# Altium PCB waffling80-MX-north.PcbDoc (part 2 of 3)
Units mm, origin at the board's own origin, x right, y up, seen from the top; angles counter-clockwise.
Board outline 350.11 x 125.01 mm, 2 copper layers (Component Side, Bottom Layer), stack 1.171 mm thick; 231 components, 145 nets, 1093 pads, 153 vias.
Unrouted connection lines stored in the file: 15.
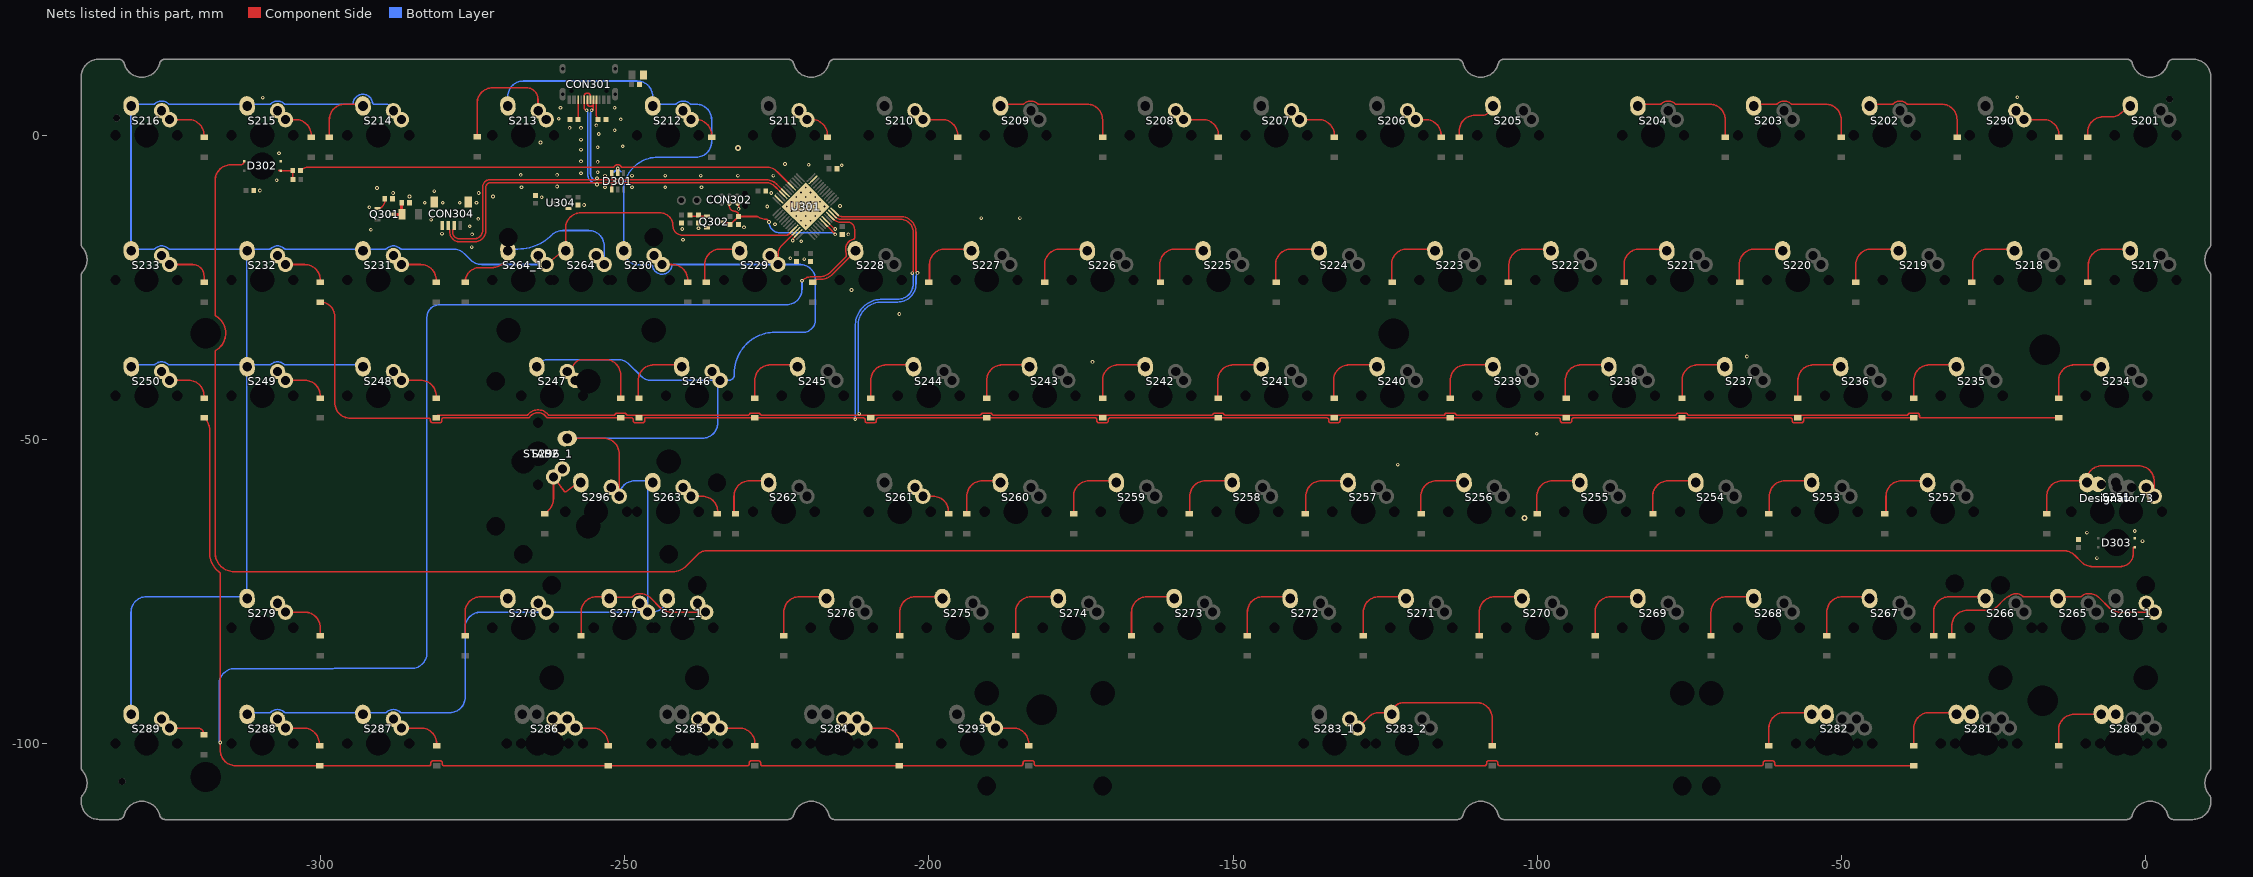
[diagram p2: the nets of this part, all layers, seen from the top]

## Via types
v1: diameter 0.6, hole 0.3, Component Side to Bottom Layer, tented both sides, 125 vias
v2: diameter 0.6, hole 0.3, Component Side to Bottom Layer, tented bottom, 25 vias
v3: diameter 1, hole 0.5, Component Side to Bottom Layer, tented both sides, 3 vias

## Nets (pads, with @x,y where several pads share a name; then routed paths per layer and width w, separated by ;. In a path a pad name is that pad's centre, name@x,y a point inside that pad or via, vN(x,y) a via of type N, cw(c..) or ccw(c..) an arc to the next point about the centre after c; other vN are vias at no path point) (continued)
col7: S212.2 S213.2 S229.2 S230.2 S246.2 S247.2 S263.2 S277.2 S277_1.2 S278.2 S287.2 S288.2 S296.2 S296_1.2 U301.46 | length 339.8
  Component Side w0.254: S296_1.2@-259.161,-49.842 -253.441,-49.842 cw(c-253.441,-52.382) -250.901,-52.382 S296.2@-250.901,-59.372 ; S229.2@-224.79,-21.272 -224.79,-19.633 cw(c-222.711,-19.633) -224.182,-18.163 U301.46@-221.994,-15.975
  Bottom Layer w0.254: S288.2@-312.102,-94.932 -308.344,-94.932 ccw(c-308.345,-94.678) -308.17,-94.861 cw(c-307.062,-96.012) -305.954,-94.862 ccw(c-305.779,-94.678) -305.78,-94.932 -289.294,-94.932 ccw(c-289.295,-94.678) -289.12,-94.861 cw(c-288.012,-96.012) -286.904,-94.862 ccw(c-286.729,-94.678) -286.73,-94.932 -278.765,-94.932 ccw(c-278.765,-92.392) -276.225,-92.392 -276.225,-80.962 cw(c-273.685,-80.962) -273.685,-78.422 S278.2@-262.89,-78.422 S277.2@-246.221,-78.422 ; S213.2@-269.24,5.08 S213.2@-269.2,5.08 ; S213.2@-269.2,4.79 S213.2@-269.2,5.08 ; S247.2@-264.477,-37.782 -264.332,-37.637 cw(c-262.536,-39.433) -262.536,-36.893 -251.115,-36.893 cw(c-251.115,-39.433) -249.319,-37.637 -247.377,-39.578 ccw(c-245.581,-37.782) -245.581,-40.322 S246.2@-234.315,-40.322 ; S296_1.2@-259.161,-49.842 -237.235,-49.842 ccw(c-237.235,-47.302) -234.695,-47.302 -234.695,-40.702 cw(c-234.315,-40.702) S246.2@-234.315,-40.322 ; S296.2@-250.901,-59.372 cw(c-248.361,-59.372) -248.361,-56.832 -245.427,-56.832 ccw(c-245.427,-57.626) -246.221,-57.626 S277.2@-246.221,-78.422 ; S212.2@-245.388,4.79 S212.2@-245.388,5.08 ; S277_1.2@-243.046,-75.882 cw(c-245.586,-75.882) -245.586,-78.422 S277.2@-246.221,-78.422 ; S213.2@-269.2,5.08 -269.2,6.348 cw(c-266.66,6.348) -266.66,8.888 -247.928,8.888 cw(c-247.928,6.348) -245.388,6.348 S212.2@-245.388,5.08 ; S212.2@-245.388,5.08 -241.67,5.08 ccw(c-241.671,5.334) -241.496,5.151 cw(c-240.388,4) -239.28,5.15 ccw(c-239.105,5.334) -239.106,5.08 -238.252,5.08 cw(c-238.252,2.54) -235.712,2.54 -235.712,-1.095 cw(c-238.252,-1.095) -238.252,-3.635 -244.548,-3.635 ccw(c-244.548,-9.277) -250.19,-9.277 -250.19,-18.801 ccw(c-247.65,-18.801) -247.65,-21.341 -245.662,-21.341 cw(c-245.663,-21.595) -245.413,-21.55 ccw(c-243.84,-21.272) -245.41,-21.563 ccw(c-243.84,-21.272) -242.366,-21.886 ccw(c-243.84,-21.272) -242.258,-21.49 cw(c-242.007,-21.526) -242.008,-21.272 S229.2@-224.79,-21.272 -221.18,-21.272 cw(c-221.18,-23.812) -220.944,-21.283 cw(c-221.18,-23.812) -218.64,-23.812 -218.64,-30.343 cw(c-220.726,-30.343) -219.225,-31.792 cw(c-220.726,-30.343) -220.726,-32.429 -225.553,-32.429 ccw(c-225.552,-33.591) -225.555,-32.429 ccw(c-225.552,-33.591) -225.689,-32.437 -225.742,-32.443 cw(c-225.77,-32.191) -225.752,-32.444 ccw(c-225.302,-39.101) -226.802,-32.6 cw(c-226.858,-32.352) -226.825,-32.604 ccw(c-226.713,-33.505) -226.855,-32.608 ccw(c-226.675,-33.756) -227.099,-32.674 cw(c-227.19,-32.437) -227.12,-32.681 ccw(c-225.302,-39.101) -228.777,-33.405 ccw(c-228.539,-33.792) -228.785,-33.41 cw(c-228.922,-33.197) -228.794,-33.416 ccw(c-228.566,-33.808) -228.802,-33.421 ccw(c-225.302,-39.101) -229.762,-34.138 cw(c-229.931,-33.948) -229.772,-34.147 ccw(c-229.054,-35.06) -229.875,-34.238 ccw(c-229.233,-34.88) -229.907,-34.271 cw(c-230.094,-34.1) -229.918,-34.283 ccw(c-225.302,-39.101) -231.974,-39.101 -231.974,-39.38 cw(c-232.917,-39.38) -232.917,-40.322 S246.2@-234.315,-40.322
col8: S214.2 S215.2 S216.2 S231.2 S232.2 S233.2 S248.2 S249.2 S250.2 S264.1 S264_1.1 S279.2 S289.2 U301.45 | length 323.4
  Component Side w0.254: S264_1.1@-262.89,-21.272 -259.715,-18.732 -259.715,-15.303 cw(c-257.175,-15.303) -257.175,-12.763 -244.218,-12.763 cw(c-244.218,-14.92) -242.061,-14.92 -242.061,-14.922 ccw(c-240.537,-14.922) -240.537,-16.446 -223.376,-16.446 ccw(c-223.376,-15.972) -223.041,-16.307 ; -223.041,-16.307 -222.355,-15.622 U301.45@-222.347,-15.622
  Bottom Layer w0.254: S289.2@-331.152,-94.932 -331.152,-78.422 cw(c-328.612,-78.422) -328.612,-75.882 -312.102,-75.882 S249.2@-312.102,-37.782 ; S250.2@-331.152,-37.782 -327.394,-37.782 ccw(c-327.395,-37.528) -327.22,-37.711 cw(c-326.112,-38.862) -325.004,-37.712 ccw(c-324.829,-37.528) -324.83,-37.782 S249.2@-312.102,-37.782 ; S248.2@-293.052,-37.782 -305.78,-37.782 cw(c-305.779,-37.528) -305.954,-37.712 ccw(c-307.062,-38.862) -308.17,-37.711 cw(c-308.345,-37.528) -308.344,-37.782 S249.2@-312.102,-37.782 ; S214.2@-286.702,2.54 ccw(c-289.242,2.54) -289.242,5.08 -291.203,5.08 cw(c-291.202,5.334) -291.454,5.303 ccw(c-293.041,5.119) -294.627,5.304 cw(c-294.879,5.334) -294.878,5.08 -305.78,5.08 cw(c-305.779,5.334) -305.954,5.15 ccw(c-307.062,4) -308.17,5.151 cw(c-308.345,5.334) -308.344,5.08 -324.83,5.08 cw(c-324.829,5.334) -325.004,5.15 ccw(c-326.112,4) -327.22,5.151 cw(c-327.395,5.334) -327.394,5.08 -331.152,5.08 -331.152,-18.732 -327.394,-18.732 ccw(c-327.395,-18.478) -327.22,-18.661 cw(c-326.112,-19.812) -325.004,-18.662 ccw(c-324.829,-18.478) -324.83,-18.732 S232.2@-312.102,-18.732 ; S264_1.1@-262.89,-21.272 -273.524,-21.272 cw(c-273.524,-18.732) -275.32,-20.528 -276.372,-19.476 ccw(c-278.168,-21.272) -278.168,-18.732 -286.73,-18.732 cw(c-286.729,-18.478) -286.904,-18.662 ccw(c-288.012,-19.812) -289.12,-18.661 cw(c-289.295,-18.478) -289.294,-18.732 -305.78,-18.732 cw(c-305.779,-18.478) -305.954,-18.662 ccw(c-307.062,-19.812) -308.17,-18.661 cw(c-308.345,-18.478) -308.344,-18.732 S232.2@-312.102,-18.732 ; S249.2@-312.102,-37.782 S232.2@-312.102,-18.732
D_N: CON301.A7 CON301.B7 CON304.2 D301.3 U301.32 | length 84
  Component Side w0.254: CON304.2@-278.011,-14.86 -278.011,-15.335 -278.282,-15.606 -278.282,-15.93 ccw(c-277.131,-15.93) -278.273,-16.074 ccw(c-277.131,-15.93) -277.275,-17.072 -277.258,-17.072 ccw(c-277.258,-16.818) -277.256,-17.072 -274.534,-17.052 ccw(c-274.831,-15.553) -273.333,-15.851 ccw(c-274.831,-15.553) -273.303,-15.553 -273.303,-8.413 cw(c-272.242,-8.413) -273.294,-8.27 cw(c-272.242,-8.413) -272.386,-7.362 cw(c-272.242,-8.413) -272.242,-7.352 -252.109,-7.352 ; CON301.A7@-256.137,5.806 -256.123,5.208 -256.12,5.195 cw(c-256.368,5.14) -256.114,5.141 -256.114,5.081 ccw(c-255.787,5.081) -255.787,4.754 -255.487,4.754 ccw(c-255.487,5.081) -255.16,5.081 -255.16,5.208 CON301.B7@-255.137,5.806 -255.137,4.372 cw(c-255.428,4.372) v1(-255.428,4.082) ; D301.3@-252.099,-6.212 -252.109,-6.222 -252.109,-7.352 ; -225.044,-8.041 -224.221,-8.863 -224.203,-8.863 -223.774,-9.293 U301.32@-223.761,-9.293 ; -225.045,-8.04 ccw(c-226.707,-9.704) -226.707,-7.352 -252.109,-7.352
  Bottom Layer w0.254: v1@-255.484,3.945 ccw(c-255.621,4.082) v1(-255.428,4.082) cw(c-255.654,4.082) -255.494,3.922 ccw(c-255.202,3.63) -255.615,3.63 -255.615,-6.465 ccw(c-254.705,-6.465) -255.348,-7.109 -255.156,-7.301 ccw(c-254.976,-7.121) -254.976,-7.375 ccw(c-254.976,-7.121) -254.797,-7.301 v1@-254.622,-7.126 ; v1@-254.622,-7.126 cw(c-254.549,-7.198) v1(-254.549,-7.096)
D_P: CON301.A6 CON301.B6 CON304.3 D301.4 U301.33 | length 85.1
  Component Side w0.152: -252.099,-7.912 -251.996,-7.809
  Component Side w0.254: CON304.3@-279.011,-14.86 -279.011,-15.335 -278.739,-15.606 -278.739,-15.93 ccw(c-277.131,-15.93) -278.697,-16.297 ccw(c-277.131,-15.93) -277.498,-17.496 ccw(c-277.131,-15.93) -277.301,-17.529 -277.275,-17.529 -277.067,-17.529 -274.35,-17.514 ccw(c-274.642,-15.743) -272.87,-16.035 ccw(c-274.642,-15.743) -272.846,-15.743 -272.846,-8.658 cw(c-271.997,-8.658) -272.818,-8.44 cw(c-271.997,-8.658) -272.215,-7.837 cw(c-271.997,-8.658) -271.997,-7.809 -252.099,-7.809 -251.996,-7.809 -226.897,-7.809 cw(c-226.897,-10.161) -225.234,-8.497 ; v1(-256.25,4.088) cw(c-256.25,4.476) -256.637,4.476 CON301.B6@-256.637,5.806 -256.614,6.404 -256.614,6.429 -256.614,6.531 cw(c-256.287,6.531) -256.401,6.838 -256.389,6.842 cw(c-256.3,6.604) -256.301,6.858 -255.974,6.858 cw(c-255.975,6.604) -255.893,6.844 -255.881,6.84 cw(c-255.987,6.531) -255.66,6.531 -255.66,6.404 CON301.A6@-255.637,5.806 ; D301.4@-252.099,-8.962 -252.099,-7.912 ; -225.233,-8.498 -224.545,-9.187 -224.545,-9.205 -224.115,-9.634 U301.33@-224.115,-9.647
  Bottom Layer w0.254: v1@-256.193,3.951 cw(c-256.056,4.088) v1(-256.25,4.088) ccw(c-256.023,4.088) -256.183,3.928 cw(c-256.452,3.659) -256.072,3.659 -256.072,-6.468 ccw(c-254.71,-6.468) -255.673,-7.431 -255.412,-7.691 ccw(c-255.071,-7.35) -255.071,-7.833 -255.069,-7.833 cw(c-255.069,-8.31) -254.732,-7.972 v1@-254.622,-8.082 ; v1@-254.622,-8.082 ccw(c-254.549,-8.01) v1(-254.549,-8.112)
GND: C301.1 C302.1 C303.1 C304.1 C305.1 C306.1 C307.1 C308.1 C310.2 C311.1 C312.1 C313.1 CON302.5 CON304.4 CON304.5 D301.2 D302.3 D303.3 L301.1 pad.@-16.55,-35.312 pad.@-16.906,-92.962 pad.@-181.462,-94.463 pad.@-234.838,-57.162 pad.@-318.862,-32.563 Q302.2 R301.2 R302.2 R304.2 R305.2 R307.2 U301.8 U301.23 U301.35 U301.47 U304.1 | length 23.4
  Component Side w0.254: CON302.5@-231.44,-11.239 cw(c-231.44,-11.413) -231.266,-11.413 v1(-231.266,-12.128) ; v1(-222.376,-17.335) cw(c-221.725,-17.335) -222.186,-16.874 U301.47@-221.64,-16.329 ; U301.8@-216.726,-14.207 -215.582,-15.351 ccw(c-215.391,-15.16) v1(-215.391,-15.43)
  Bottom Layer w0.254: -251.8,-6.1 v1(-251.149,-5.487) -250.636,-6 -250.6,-6 ; v2(-222.577,-10.972) v2(-220.243,-13.306) v2(-219.466,-14.084) ; v2(-220.243,-14.862) v2(-221.021,-14.084) v2(-221.799,-13.306) v2(-222.577,-12.528) v2(-223.355,-11.75) v2(-221.799,-10.195) v2(-221.021,-9.417) v2(-220.243,-8.639) v2(-219.466,-9.417) v2(-218.688,-10.195) v2(-217.91,-10.972) v2(-217.132,-11.75)
  other v1: -8,-69.532 -0.507,-66.738 -9.651,-65.341 -1.777,-65.087 -122.935,-54.165 -100.075,-49.085 -173.1,-37.274 -65.531,-36.385 -204.85,-29.4 -212.724,-25.463 -220.471,-20.383 -222.757,-20.256 -275.15,-18.412 -220.979,-17.462 -240.41,-17.208 -275.081,-16.319 -213.232,-16.319 -280.034,-16.192 -291.718,-15.557 -240.537,-15.43 -237.87,-15.303 -230.377,-15.176 -275.457,-14.972 -225.297,-14.668 -281.812,-13.906 -274.065,-13.779 -191.388,-13.652 -185.038,-13.652 -291.972,-11.874 -226.567,-11.747 -214.602,-11.664 -256.666,-11.493 -282.85,-11.112 -279.907,-11.112 -277.113,-11.112 -274.358,-11.129 -263.651,-10.223 -285.368,-10.096 -271.652,-10.096 -288.061,-9.525 -274.015,-9.525 -225.908,-9.524 -281.304,-9.207 -309.962,-9.1 -290.702,-8.699 -266.953,-8.572 -253.237,-8.572 -248.792,-8.572 -243.331,-8.572 -237.362,-8.572 -261.111,-8.445 -307.212,-7.429 -253.237,-6.667 -248.792,-6.667 -243.331,-6.667 -237.489,-6.667 -231.393,-6.667 -225.551,-6.667 -267.08,-6.54 -261.111,-6.54 -257.175,-6.286 -254.449,-6.112 -214.313,-4.947 -219.766,-4.874 -223.646,-4.762 -254.449,-4.412 -257.175,-4.32 -306.831,-2.984 -257.175,-2.396 -254.449,-2.012 -250.316,-1.841 -263.85,-1.212 -257.175,-0.747 -254.249,0.188 -251.649,0.788 -259.049,1.188 -257.175,1.189 -254.65,1.588 -250.649,2.588 -260.849,2.688 -260.549,4.488 -251.649,4.488 -309.498,6.16 -21.076,6.211
  other v2: -218.688,-13.306 -221.021,-12.528 -219.466,-12.528 -217.91,-12.528 -221.799,-11.75 -220.243,-11.75 -218.688,-11.75 -221.021,-10.972 -219.466,-10.972 -220.243,-10.195
  other v3: -102.107,-62.928 -231.393,-2.095
LED: R308.2 U301.29 | length 82.1
  Component Side w0.254: R308.2@-303.261,-5.83 cw(c-301.909,-7.182) -301.909,-5.27 -269.227,-5.27 -252.135,-5.27 -251.878,-5.261 ccw(c-251.888,-5.007) -251.676,-5.146 cw(c-251.149,-5.487) -250.619,-5.153 ccw(c-250.405,-5.016) -250.406,-5.27 -226.715,-5.27 cw(c-226.715,-7.81) -224.919,-6.014 U301.29@-222.701,-8.232
NetC306_2: C306.2 F301.1 Q301.3 | length 3.6
  Component Side w0.5: Q301.3@-288.232,-13.017 F301.1@-286.591,-13.017 cw(c-286.442,-12.867) -286.653,-12.867 C306.2@-286.653,-11.112
NetC309_2: C309.2 Q302.1 R305.1 | length 2.8
  Component Side w0.254: C309.2@-239.267,-13.129 -238.969,-13.309 -236.868,-13.309 Q302.1@-236.495,-13.337
NetCON301_A5: CON301.A5 R301.1 | length 3.3
  Component Side w0.254: CON301.A5@-254.637,5.806 -254.637,3.162 ccw(c-253.826,3.162) R301.1@-254.4,2.588
NetCON301_B5: CON301.B5 R302.1 | length 3.2
  Component Side w0.254: R302.1@-257.699,2.588 ccw(c-257.85,2.738) -257.637,2.738 CON301.B5@-257.637,5.806
NetD201_1: D201.1 S201.1 | length 10
  Component Side w0.254: D201.1@-9.525,-0.365 -9.525,0.445 cw(c-6.985,0.445) -9.519,0.619 cw(c-6.985,0.445) -6.985,2.985 -5.687,2.985 ccw(c-5.687,5.525) -3.891,3.729 S201.1@-2.54,5.08
NetD202_1: D202.1 S202.1 | length 19
  Component Side w0.254: S202.1@-45.402,5.08 -41.644,5.08 ccw(c-41.645,5.334) -41.47,5.151 cw(c-40.362,4) -39.254,5.15 ccw(c-39.079,5.334) -39.08,5.08 -33.527,5.08 cw(c-33.527,2.54) -30.987,2.54 D202.1@-30.987,-0.365
NetD203_1: D203.1 S203.1 | length 19
  Component Side w0.254: S203.1@-64.452,5.08 -60.694,5.08 ccw(c-60.695,5.334) -60.52,5.151 cw(c-59.412,4) -58.304,5.15 ccw(c-58.129,5.334) -58.13,5.08 -52.577,5.08 cw(c-52.577,2.54) -50.037,2.54 D203.1@-50.037,-0.365
NetD204_1: D204.1 S204.1 | length 19
  Component Side w0.254: S204.1@-83.502,5.08 -79.744,5.08 ccw(c-79.745,5.334) -79.57,5.151 cw(c-78.462,4) -77.354,5.15 ccw(c-77.179,5.334) -77.18,5.08 -71.627,5.08 cw(c-71.627,2.54) -69.087,2.54 D204.1@-69.087,-0.365
NetD205_1: D205.1 S205.1 | length 9.1
  Component Side w0.254: D205.1@-112.801,-0.365 -112.801,0.699 cw(c-110.261,0.699) -110.261,3.239 -109.156,3.239 ccw(c-109.156,5.08) S205.1@-107.315,5.08
NetD206_1: D206.1 S206.1 | length 6
  Component Side w0.254: S206.1@-120.015,2.54 -118.34,2.54 cw(c-118.34,0) -115.8,0 D206.1@-115.8,-0.365
NetD207_1: D207.1 S207.1 | length 7.5
  Component Side w0.254: S207.1@-139.065,2.54 -135.884,2.54 cw(c-135.884,0) -133.344,0 D207.1@-133.344,-0.364
NetD208_1: D208.1 S208.1 | length 7.5
  Component Side w0.254: S208.1@-158.115,2.54 -154.934,2.54 cw(c-154.934,0) -152.394,0 D208.1@-152.394,-0.364
NetD209_1: D209.1 S209.1 | length 21.5
  Component Side w0.254: S209.1@-188.278,5.08 -184.52,5.08 ccw(c-184.521,5.334) -184.346,5.151 cw(c-183.238,4) -182.13,5.15 ccw(c-181.955,5.334) -181.956,5.08 -173.99,5.08 cw(c-173.99,2.54) -171.45,2.54 D209.1@-171.45,-0.365
NetD210_1: D210.1 S210.1 | length 7.5
  Component Side w0.254: S210.1@-200.978,2.54 -197.803,2.54 cw(c-197.803,0) -195.263,0 D210.1@-195.263,-0.365
NetD211_1: D211.1 S211.1 | length 5.2
  Component Side w0.254: S211.1@-220.028,2.54 -219.201,2.54 cw(c-219.201,0) -216.661,0 D211.1@-216.661,-0.365
NetD212_1: D212.1 S212.1 | length 5.2
  Component Side w0.254: S212.1@-239.078,2.54 -238.251,2.54 cw(c-238.251,0) -235.711,0 D212.1@-235.711,-0.365
NetD213_1: D213.1 S213.1 | length 20
  Component Side w0.254: D213.1@-274.249,-0.277 -274.249,5.248 cw(c-271.709,5.248) -271.709,7.788 -266.15,7.788 cw(c-266.15,5.888) -264.249,5.888 -264.249,4.049 ccw(c-264.2,4.049) S213.1@-264.2,4
NetD214_1: D214.1 S214.1 | length 9.8
  Component Side w0.254: D214.1@-298.538,-0.365 -298.538,2.54 cw(c-295.998,2.54) -295.998,5.08 S214.1@-293.052,5.08
NetD215_1: D215.1 S215.1 | length 6
  Component Side w0.254: S215.1@-305.752,2.54 -304.077,2.54 cw(c-304.077,0) -301.537,0 D215.1@-301.537,-0.365
NetD216_1: D216.1 S216.1 | length 7.5
  Component Side w0.254: S216.1@-324.802,2.54 -321.685,2.54 cw(c-321.685,0) -319.145,0 D216.1@-319.145,-0.364
NetD217_1: D217.1 S217.1 | length 11.2
  Component Side w0.254: D217.1@-9.392,-24.177 -9.392,-21.272 cw(c-6.852,-21.272) -6.852,-18.732 S217.1@-2.54,-18.732
NetD218_1: D218.1 S218.1 | length 11.2
  Component Side w0.254: D218.1@-28.442,-24.177 -28.442,-21.272 cw(c-25.902,-21.272) -25.902,-18.732 S218.1@-21.59,-18.732
NetD219_1: D219.1 S219.1 | length 11.3
  Component Side w0.254: D219.1@-47.619,-24.177 -47.619,-21.272 cw(c-45.079,-21.272) -45.079,-18.732 S219.1@-40.64,-18.732
NetD220_1: D220.1 S220.1 | length 11.5
  Component Side w0.254: D220.1@-66.796,-24.177 -66.796,-21.272 cw(c-64.256,-21.272) -64.256,-18.732 S220.1@-59.69,-18.732
NetD221_1: D221.1 S221.1 | length 11.3
  Component Side w0.254: D221.1@-85.725,-24.177 -85.725,-21.272 cw(c-83.185,-21.272) -83.185,-18.732 S221.1@-78.74,-18.732
NetD222_1: D222.1 S222.1 | length 11.2
  Component Side w0.254: D222.1@-104.642,-24.177 -104.642,-21.272 cw(c-102.102,-21.272) -102.102,-18.732 S222.1@-97.79,-18.732
NetD223_1: D223.1 S223.1 | length 11.5
  Component Side w0.254: D223.1@-123.946,-24.177 -123.946,-21.272 cw(c-121.406,-21.272) -121.406,-18.732 S223.1@-116.84,-18.732
NetD224_1: D224.1 S224.1 | length 11.5
  Component Side w0.254: D224.1@-142.996,-24.177 -142.996,-21.272 cw(c-140.456,-21.272) -140.456,-18.732 S224.1@-135.89,-18.732
NetD225_1: D225.1 S225.1 | length 11.5
  Component Side w0.254: D225.1@-162.046,-24.177 -162.046,-21.272 cw(c-159.506,-21.272) -159.506,-18.732 S225.1@-154.94,-18.732
NetD226_1: D226.1 S226.1 | length 11.3
  Component Side w0.254: D226.1@-180.969,-24.177 -180.969,-21.272 cw(c-178.429,-21.272) -178.429,-18.732 S226.1@-173.99,-18.732
NetD227_1: D227.1 S227.1 | length 11.2
  Component Side w0.254: D227.1@-199.892,-24.177 -199.892,-21.272 cw(c-197.352,-21.272) -197.352,-18.732 S227.1@-193.04,-18.732
NetD228_1: D228.1 S228.1 | length 9.3
  Component Side w0.254: D228.1@-219.075,-24.177 -218.629,-23.849 -218.629,-23.754 cw(c-218.524,-23.985) -218.524,-23.731 -217.936,-23.731 ccw(c-217.936,-20.737) -216.007,-23.027 ccw(c-216.466,-22.488) -215.967,-22.99 ccw(c-216.466,-22.488) -215.965,-22.989 -214.858,-21.882 -212.36,-19.383 ccw(c-213.011,-18.732) S228.1@-212.09,-18.732
NetD229_1: D229.1 S229.1 | length 10.1
  Component Side w0.254: D229.1@-236.849,-24.177 -236.849,-21.272 cw(c-234.309,-21.272) -234.309,-18.732 S229.1@-231.14,-18.732
NetD230_1: D230.1 S230.1 | length 6
  Component Side w0.254: S230.1@-243.84,-21.272 -242.183,-21.272 cw(c-242.183,-23.812) -239.643,-23.812 D230.1@-239.643,-24.177
NetD231_1: D231.1 S231.1 | length 7.5
  Component Side w0.254: S231.1@-286.702,-21.272 -283.527,-21.272 cw(c-283.527,-23.812) -280.987,-23.812 D231.1@-280.987,-24.177
NetD232_1: D232.1 S232.1 | length 7.5
  Component Side w0.254: S232.1@-305.752,-21.272 -302.577,-21.272 cw(c-302.577,-23.812) -300.037,-23.812 D232.1@-300.037,-24.177
NetD233_1: D233.1 S233.1 | length 7.8
  Component Side w0.254: S233.1@-324.802,-21.272 -321.035,-21.272 cw(c-321.035,-23.162) -319.145,-23.162 D233.1@-319.145,-24.177
NetD234_1: D234.1 S234.1 | length 11.3
  Component Side w0.254: D234.1@-14.287,-43.227 -14.287,-40.322 cw(c-11.747,-40.322) -11.747,-37.782 S234.1@-7.302,-37.782
NetD235_1: D235.1 S235.1 | length 11.3
  Component Side w0.254: D235.1@-38.094,-43.227 -38.094,-40.322 cw(c-35.554,-40.322) -35.554,-37.782 S235.1@-31.115,-37.782
NetD236_1: D236.1 S236.1 | length 11.3
  Component Side w0.254: D236.1@-57.144,-43.227 -57.144,-40.322 cw(c-54.604,-40.322) -54.604,-37.782 S236.1@-50.165,-37.782
NetD237_1: D237.1 S237.1 | length 11.3
  Component Side w0.254: D237.1@-76.194,-43.227 -76.194,-40.322 cw(c-73.654,-40.322) -73.654,-37.782 S237.1@-69.215,-37.782
NetD238_1: D238.1 S238.1 | length 11.5
  Component Side w0.254: D238.1@-95.371,-43.227 -95.371,-40.322 cw(c-92.831,-40.322) -92.831,-37.782 S238.1@-88.265,-37.782
NetD239_1: D239.1 S239.1 | length 11.3
  Component Side w0.254: D239.1@-114.294,-43.227 -114.294,-40.322 cw(c-111.754,-40.322) -111.754,-37.782 S239.1@-107.315,-37.782
NetD240_1: D240.1 S240.1 | length 11.5
  Component Side w0.254: D240.1@-133.471,-43.227 -133.471,-40.322 cw(c-130.931,-40.322) -130.931,-37.782 S240.1@-126.365,-37.782
NetD241_1: D241.1 S241.1 | length 11.5
  Component Side w0.254: D241.1@-152.521,-43.227 -152.521,-40.322 cw(c-149.981,-40.322) -149.981,-37.782 S241.1@-145.415,-37.782
NetD242_1: D242.1 S242.1 | length 11.3
  Component Side w0.254: D242.1@-171.444,-43.227 -171.444,-40.322 cw(c-168.904,-40.322) -168.904,-37.782 S242.1@-164.465,-37.782
NetD243_1: D243.1 S243.1 | length 11.3
  Component Side w0.254: D243.1@-190.494,-43.227 -190.494,-40.322 cw(c-187.954,-40.322) -187.954,-37.782 S243.1@-183.515,-37.782
NetD244_1: D244.1 S244.1 | length 11.3
  Component Side w0.254: D244.1@-209.55,-43.227 -209.55,-40.322 cw(c-207.01,-40.322) -207.01,-37.782 S244.1@-202.565,-37.782
NetD245_1: D245.1 S245.1 | length 11.3
  Component Side w0.254: D245.1@-228.6,-43.227 -228.6,-40.322 cw(c-226.06,-40.322) -226.06,-37.782 S245.1@-221.615,-37.782
NetD246_1: D246.1 S246.1 | length 11.5
  Component Side w0.254: D246.1@-247.771,-43.227 -247.771,-40.322 cw(c-245.231,-40.322) -245.231,-37.782 S246.1@-240.665,-37.782
NetD247_1: D247.1 S247.1 STAB2.@-255.986,-40.444 | length 16.1
  Component Side w0.254: S247.1@-258.127,-40.322 cw(c-258.127,-39.878) -258.317,-40.279 cw(c-258.127,-39.878) -258.435,-40.198 cw(c-258.127,-39.878) -258.571,-39.878 -258.571,-38.544 cw(c-256.92,-38.544) -256.92,-36.893 -253.19,-36.893 cw(c-253.19,-39.433) -250.65,-39.433 D247.1@-250.65,-43.227
NetD248_1: D248.1 S248.1 | length 7.5
  Component Side w0.254: S248.1@-286.702,-40.322 -283.527,-40.322 cw(c-283.527,-42.862) -280.987,-42.862 D248.1@-280.987,-43.227
NetD249_1: D249.1 S249.1 | length 7.5
  Component Side w0.254: S249.1@-305.752,-40.322 -302.577,-40.322 cw(c-302.577,-42.862) -300.037,-42.862 D249.1@-300.037,-43.227
NetD250_1: D250.1 S250.1 | length 7.5
  Component Side w0.254: S250.1@-324.802,-40.322 -321.685,-40.322 cw(c-321.685,-42.862) -319.145,-42.862 D250.1@-319.145,-43.227
NetD251_1: D251.1 Designator73.2 S251.1 | length 27.4
  Component Side w0.254: D251.1@-16.25,-62.277 -16.25,-59.372 ; -16.25,-59.06 -16.25,-59.372 ; S251.1@-9.684,-56.832 -13.71,-56.832 ccw(c-13.71,-59.372) -16.25,-59.372 ; S251.1@-9.664,-56.52 cw(c-7.215,-56.832) -7.215,-54.363 -1.111,-54.363 cw(c-1.111,-56.903) 1.429,-56.903 S251.1@1.429,-59.372
NetD252_1: D252.1 S252.1 | length 11.1
  Component Side w0.254: D252.1@-42.666,-62.277 -42.666,-59.372 cw(c-40.126,-59.372) -40.126,-56.832 S252.1@-35.877,-56.832
NetD253_1: D253.1 S253.1 | length 11.3
  Component Side w0.254: D253.1@-61.843,-62.277 -61.843,-59.372 cw(c-59.303,-59.372) -59.303,-56.832 S253.1@-54.927,-56.832
NetD254_1: D254.1 S254.1 | length 11.4
  Component Side w0.254: D254.1@-81.02,-62.277 -81.02,-59.372 cw(c-78.48,-59.372) -78.48,-56.832 S254.1@-73.977,-56.832
NetD255_1: D255.1 S255.1 | length 11.4
  Component Side w0.254: D255.1@-100.07,-62.277 -100.07,-59.372 cw(c-97.53,-59.372) -97.53,-56.832 S255.1@-93.027,-56.832
NetD256_1: D256.1 S256.1 | length 12.2
  Component Side w0.254: D256.1@-119.12,-62.277 -119.12,-59.372 cw(c-116.58,-59.372) -116.58,-56.832 S256.1@-112.078,-56.832
  Bottom Layer w0.254: S256.1@-112.643,-57.398 S256.1@-112.078,-56.832
NetD257_1: D257.1 S257.1 | length 11.3
  Component Side w0.254: D257.1@-138.043,-62.277 -138.043,-59.372 cw(c-135.503,-59.372) -135.503,-56.832 S257.1@-131.127,-56.832
NetD258_1: D258.1 S258.1 | length 11.3
  Component Side w0.254: D258.1@-157.093,-62.277 -157.093,-59.372 cw(c-154.553,-59.372) -154.553,-56.832 S258.1@-150.177,-56.832
NetD259_1: D259.1 S259.1 | length 11.3
  Component Side w0.254: D259.1@-176.213,-62.277 -176.213,-59.372 cw(c-173.672,-59.372) -173.672,-56.832 S259.1@-169.227,-56.832
NetD260_1: D260.1 S260.1 | length 9.8
  Component Side w0.254: D260.1@-193.763,-62.277 -193.763,-59.372 cw(c-191.223,-59.372) -191.223,-56.832 S260.1@-188.278,-56.832
NetD261_1: D261.1 S261.1 | length 6
  Component Side w0.254: S261.1@-200.977,-59.372 -199.302,-59.372 cw(c-199.302,-61.912) -196.762,-61.912 D261.1@-196.762,-62.277
NetD262_1: D262.1 S262.1 | length 10
  Component Side w0.254: D262.1@-232.029,-62.277 -232.029,-59.372 cw(c-229.489,-59.372) -229.489,-56.832 S262.1@-226.377,-56.832
NetD263_1: D263.1 S263.1 | length 6.2
  Component Side w0.254: S263.1@-239.077,-59.372 -237.236,-59.372 cw(c-237.236,-61.912) -234.696,-61.912 D263.1@-234.696,-62.277
NetD264_1: D264.1 S264.2 S264_1.2 | length 31.5
  Component Side w0.254: D264.1@-276.225,-24.177 cw(c-273.828,-24.177) -273.828,-21.78 -271.78,-21.78 ccw(c-271.78,-19.24) -269.24,-19.24 S264_1.2@-269.24,-18.732
  Bottom Layer w0.254: S264_1.2@-269.24,-18.732 -269.225,-18.732 -267.545,-18.732 ccw(c-267.545,-10.865) -261.982,-16.428 cw(c-260.186,-18.224) -260.186,-15.684 -255.905,-15.684 cw(c-255.905,-18.224) -253.365,-18.224 S264.2@-253.365,-21.272
NetD265_1: D265.1 S265.1 S265_1.1 | length 39.9
  Component Side w0.254: D265.1@-31.835,-82.327 -31.835,-80.652 cw(c-29.295,-80.652) -29.295,-78.112 -25.911,-78.112 ccw(c-25.911,-75.944) -24.378,-77.477 -23.252,-76.351 cw(c-21.456,-78.147) -22.794,-75.988 cw(c-21.456,-78.147) -22.607,-75.883 cw(c-21.456,-78.147) -22.427,-75.8 ccw(c-22.525,-75.566) -22.36,-75.758 cw(c-21.31,-76.962) -20.202,-75.812 ccw(c-20.027,-75.628) -20.028,-75.882 -10.688,-75.882 ccw(c-10.689,-75.628) -10.514,-75.811 cw(c-9.406,-76.962) -9.398,-75.365 -9.349,-75.365 cw(c-9.349,-77.905) -7.553,-76.109 -5.984,-77.678 ccw(c-4.188,-75.882) -4.188,-78.422 S265_1.1@1.429,-78.422 ; -22.359,-75.758 cw(c-21.31,-76.962) -21.187,-75.37
NetD266_1: D266.1 pad.@-31.363,-73.712 S266.1 | length 13.8
  Component Side w0.254: D266.1@-34.835,-82.327 -34.835,-78.422 cw(c-32.295,-78.422) -32.295,-75.882 S266.1@-26.35,-75.882
NetD267_1: D267.1 S267.1 | length 12.3
  Component Side w0.254: D267.1@-52.387,-82.327 -52.387,-78.422 cw(c-49.847,-78.422) -49.847,-75.882 S267.1@-45.402,-75.882
NetD268_1: D268.1 S268.1 | length 12.3
  Component Side w0.254: D268.1@-71.437,-82.327 -71.437,-78.422 cw(c-68.897,-78.422) -68.897,-75.882 S268.1@-64.452,-75.882
NetD269_1: D269.1 S269.1 | length 12.3
  Component Side w0.254: D269.1@-90.487,-82.327 -90.487,-78.422 cw(c-87.947,-78.422) -87.947,-75.882 S269.1@-83.502,-75.882
NetD270_1: D270.1 S270.1 | length 12.3
  Component Side w0.254: D270.1@-109.537,-82.327 -109.537,-78.422 cw(c-106.997,-78.422) -106.997,-75.882 S270.1@-102.552,-75.882
NetD271_1: D271.1 S271.1 | length 12.3
  Component Side w0.254: D271.1@-128.587,-82.327 -128.587,-78.422 cw(c-126.047,-78.422) -126.047,-75.882 S271.1@-121.602,-75.882
NetD272_1: D272.1 S272.1 | length 12.3
  Component Side w0.254: D272.1@-147.637,-82.327 -147.637,-78.422 cw(c-145.097,-78.422) -145.097,-75.882 S272.1@-140.652,-75.882
NetD273_1: D273.1 S273.1 | length 12.3
  Component Side w0.254: D273.1@-166.687,-82.327 -166.687,-78.422 cw(c-164.147,-78.422) -164.147,-75.882 S273.1@-159.702,-75.882
NetD274_1: D274.1 S274.1 | length 12.3
  Component Side w0.254: D274.1@-185.737,-82.327 -185.737,-78.422 cw(c-183.197,-78.422) -183.197,-75.882 S274.1@-178.752,-75.882
NetD275_1: D275.1 S275.1 | length 12.3
  Component Side w0.254: D275.1@-204.787,-82.327 -204.787,-78.422 cw(c-202.247,-78.422) -202.247,-75.882 S275.1@-197.802,-75.882
NetD276_1: D276.1 S276.1 | length 12.3
  Component Side w0.254: D276.1@-223.837,-82.327 -223.837,-78.422 cw(c-221.297,-78.422) -221.297,-75.882 S276.1@-216.852,-75.882
NetD277_1: D277.1 S277.1 S277_1.1 | length 27.2
  Component Side w0.254: D277.1@-257.175,-82.327 -257.175,-78.422 cw(c-254.635,-78.422) -254.635,-75.882 -252.47,-75.882 -252.399,-75.953 -248.883,-75.953 ccw(c-248.884,-75.699) -248.699,-75.873 cw(c-247.531,-76.962) -247.518,-75.365 -247.506,-75.365 cw(c-247.506,-77.905) -245.71,-76.109 -244.141,-77.678 ccw(c-242.345,-75.882) -242.345,-78.422 S277_1.1@-236.595,-78.422
NetD278_1: D278.1 S278.1 | length 12.3
  Component Side w0.254: D278.1@-276.225,-82.327 -276.225,-78.422 cw(c-273.685,-78.422) -273.685,-75.882 S278.1@-269.24,-75.882
NetD279_1: D279.1 S279.1 | length 8.5
  Component Side w0.254: S279.1@-305.752,-78.422 -302.577,-78.422 cw(c-302.577,-80.962) -300.037,-80.962 D279.1@-300.037,-82.327
NetD280_1: D280.1 S280.2 | length 11.1
  Component Side w0.254: D280.1@-14.287,-100.377 -14.287,-97.762 cw(c-11.747,-97.762) -11.747,-95.222 S280.2@-7.263,-95.222
NetD281_1: D281.1 S281.2 | length 11.3
  Component Side w0.254: D281.1@-38.099,-100.377 -38.099,-97.472 cw(c-35.559,-97.472) -35.559,-94.932 S281.2@-31.114,-94.932
NetD282_1: D282.1 S282.2 | length 11.3
  Component Side w0.254: D282.1@-61.913,-100.377 -61.913,-97.472 cw(c-59.373,-97.472) -59.373,-94.932 S282.2@-54.927,-94.932
NetD283_1: D283.1 S283_1.1 S283_2.1 | length 30.1
  Component Side w0.254: S283_1.1@-129.539,-97.472 -127.743,-95.676 cw(c-125.947,-97.472) -125.947,-94.932 S283_2.1@-123.983,-94.932 ; S283_2.1@-123.911,-95.222 cw(c-121.989,-95.222) -121.989,-93.3 -109.933,-93.3 cw(c-109.933,-95.84) -107.393,-95.84 D283.1@-107.393,-100.377
NetD284_1: D284.1 S284.1 | length 7.5
  Component Side w0.254: S284.1@-210.502,-97.472 -207.385,-97.472 cw(c-207.385,-100.012) -204.845,-100.012 D284.1@-204.845,-100.377
NetD285_1: D285.1 S285.1 | length 9.9
  Component Side w0.254: S285.1@-236.696,-97.472 -231.134,-97.472 cw(c-231.134,-100.012) -228.594,-100.012 D285.1@-228.594,-100.377
NetD286_1: D286.1 S286.1 | length 7.2
  Component Side w0.254: S286.1@-258.127,-97.472 -255.264,-97.472 cw(c-255.264,-100.012) -252.724,-100.012 D286.1@-252.724,-100.377
NetD287_1: D287.1 S287.1 | length 7.6
  Component Side w0.254: S287.1@-286.702,-97.472 -283.458,-97.472 cw(c-283.458,-100.012) -280.918,-100.012 D287.1@-280.918,-100.377
NetD288_1: D288.1 S288.1 | length 7.3
  Component Side w0.254: S288.1@-305.752,-97.472 -302.762,-97.472 cw(c-302.762,-100.012) -300.222,-100.012 D288.1@-300.222,-100.377
NetD289_1: D289.1 S289.1 | length 6.3
  Component Side w0.254: S289.1@-324.802,-97.472 -320.232,-97.472 cw(c-320.232,-98.559) D289.1@-319.145,-98.559
NetD290_1: D290.1 S290.1 | length 7.6
  Component Side w0.254: S290.1@-20.002,2.54 -16.764,2.54 cw(c-16.764,0) -14.224,0 D290.1@-14.224,-0.364
NetD293_1: D293.1 S293.1 | length 7.3
  Component Side w0.254: S293.1@-189.071,-97.472 -186.13,-97.472 cw(c-186.13,-100.012) -183.59,-100.012 D293.1@-183.59,-100.377
NetD294_1: 
NetD295_1: 
NetD296_1: D296.1 S296.1 S296_1.1 | length 12.8
  Component Side w0.254: D296.1@-263.138,-62.277 -262.445,-61.584 ccw(c-264.241,-59.788) -261.701,-59.788 S296_1.1@-261.701,-56.192 -259.938,-58.548 -259.85,-58.635 -259.661,-58.635 S296.1@-257.251,-56.832
NetD302_2: D302.2 D303.4 | length 390.4
  Component Side w0.254: D302.2@-312.562,-4.329 cw(c-313.122,-4.329) -313.122,-4.889 -314.774,-4.889 ccw(c-314.774,-7.429) -317.314,-7.429 -317.314,-29.522 ccw(c-317.06,-29.521) -317.191,-29.739 cw(c-318.862,-32.563) -316.888,-29.942 cw(c-318.862,-32.563) -316.54,-30.245 cw(c-318.862,-32.563) -317.191,-35.386 ccw(c-317.06,-35.604) -317.314,-35.603 -317.314,-68.643 ccw(c-314.197,-68.643) -316.986,-70.036 ccw(c-314.197,-68.643) -314.197,-71.76 -242.085,-71.76 ccw(c-242.085,-68.643) -239.88,-70.846 -239.288,-70.254 -238.141,-69.107 -237.929,-68.895 cw(c-236.54,-70.282) -236.828,-68.34 cw(c-236.54,-70.282) -236.54,-68.319 -13.441,-68.319 cw(c-13.441,-70.859) -11.645,-69.063 -10.522,-70.185 ccw(c-8.726,-68.389) -8.726,-70.929 -4.19,-70.929 ccw(c-4.19,-68.751) -2.013,-68.751 -2.013,-67.742
NetD302_4: D302.4 R306.2 R308.1 | length 3.5
  Component Side w0.254: D302.4@-306.563,-5.83 R308.1@-304.561,-5.83 ; R308.1@-304.561,-5.83 -304.545,-5.83 R306.2@-304.545,-7.302
NetQ301_1: Q301.1 R307.1 | length 2.3
  Component Side w0.254: Q301.1@-290.632,-12.067 ccw(c-290.632,-10.882) -289.448,-10.882 R307.1@-289.448,-10.477
NRST: C310.1 CON302.3 Q302.3 R303.2 U301.7 | length 26.2
  Component Side w0.254: Q302.3@-234.095,-14.287 -233.722,-14.435 -232.962,-14.435 R303.2@-232.663,-14.683 -232.365,-14.41 -231.565,-13.656 C310.1@-231.266,-13.383 ; CON302.3@-232.79,-11.239 -232.79,-11.615 ccw(c-231.901,-11.615) -231.901,-12.504 cw(c-231.901,-13.139) -231.867,-12.505 cw(c-231.882,-12.759) -231.705,-12.576 ccw(c-231.266,-12.128) -231.48,-12.718 cw(c-231.567,-12.956) -231.345,-12.833 cw(c-231.901,-13.139) -231.267,-13.11 -231.266,-13.139 C310.1@-231.266,-13.383 ; v1(-226.277,-14.287) ccw(c-226.531,-14.299) -226.351,-14.119 -226.548,-13.923 ccw(c-226.728,-14.102) -226.57,-13.903 ccw(c-226.728,-14.102) -226.715,-13.848 cw(c-226.567,-10.858) -228.119,-13.419 ccw(c-228.25,-13.636) -228.233,-13.383 C310.1@-231.266,-13.383 ; U301.7@-217.079,-14.561 -216.382,-15.258 -216.004,-15.636 cw(c-216.183,-15.816) -215.955,-15.704 ccw(c-215.391,-15.43) -215.599,-16.022 cw(c-215.683,-16.261) -215.503,-16.082 -215.465,-16.12 cw(c-215.645,-16.299) -215.391,-16.299 v1(-215.391,-16.319)
  Bottom Layer w0.254: v1(-226.277,-14.287) ccw(c-224.512,-14.287) -226.175,-14.88 ccw(c-224.512,-14.287) -225.104,-15.95 ccw(c-224.512,-14.287) -224.512,-16.053 -215.751,-16.053 -215.485,-16.319 v1(-215.391,-16.319)
PA0: D250.2 D281.2 D284.2 D286.2 D288.2 U301.10 | length 527.4
  Component Side w0.254: D250.2@-319.087,-46.497 -318.966,-46.618 cw(c-320.762,-48.414) -318.222,-48.414 -318.222,-68.643 ccw(c-314.197,-68.643) -317.798,-70.441 ccw(c-314.197,-68.643) -316.708,-71.789 ; -317.095,-71.437 ccw(c-314.197,-68.643) -316.708,-71.789 ccw(c-314.197,-68.643) -316.582,-71.886 cw(c-316.733,-72.09) -316.482,-72.05 v1(-316.482,-99.855) v1@-316.482,-100.015 ; v1@-316.541,-99.959 -316.538,-99.959 v1@-316.482,-100.015 ; v1(-220.852,-23.939) cw(c-219.255,-25.537) -219.255,-23.277 -217.936,-23.277 ccw(c-217.936,-20.737) -216.301,-22.682 ; -216.287,-22.669 -213.628,-20.01 ccw(c-213.809,-19.831) -213.563,-19.766 cw(c-212.021,-19.351) -213.612,-19.489 -213.648,-19.084 -213.67,-18.833 cw(c-212.079,-18.693) -213.618,-18.268 cw(c-212.079,-18.693) -212.415,-17.132 ccw(c-212.47,-16.884) -212.216,-16.885 -212.216,-15.5 ccw(c-213.409,-15.5) -213.409,-14.307 -214.616,-14.307 cw(c-214.616,-12.869) -215.633,-13.886 U301.10@-216.019,-13.5 ; D281.2@-38.099,-103.647 -60.722,-103.647 cw(c-60.722,-103.393) -60.976,-103.393 -60.976,-103.192 ccw(c-61.303,-103.192) -61.303,-102.865 -62.523,-102.865 ccw(c-62.523,-103.192) -62.85,-103.192 -62.85,-103.393 cw(c-63.104,-103.393) -63.104,-103.647 -106.202,-103.647 cw(c-106.202,-103.393) -106.456,-103.393 -106.456,-103.192 ccw(c-106.783,-103.192) -106.783,-102.865 -108.003,-102.865 ccw(c-108.003,-103.192) -108.33,-103.192 -108.33,-103.393 cw(c-108.584,-103.393) -108.584,-103.647 -182.399,-103.647 cw(c-182.399,-103.393) -182.653,-103.393 -182.653,-103.192 ccw(c-182.98,-103.192) -182.98,-102.865 -184.2,-102.865 ccw(c-184.2,-103.192) -184.527,-103.192 -184.527,-103.393 cw(c-184.781,-103.393) -184.781,-103.647 D284.2@-204.845,-103.647 -227.403,-103.647 cw(c-227.403,-103.393) -227.657,-103.393 -227.657,-103.192 ccw(c-227.984,-103.192) -227.984,-102.865 -229.204,-102.865 ccw(c-229.204,-103.192) -229.531,-103.192 -229.531,-103.393 cw(c-229.785,-103.393) -229.785,-103.647 D286.2@-252.724,-103.647 -279.727,-103.647 cw(c-279.727,-103.393) -279.981,-103.393 -279.981,-103.192 ccw(c-280.308,-103.192) -280.308,-102.865 -281.528,-102.865 ccw(c-281.528,-103.192) -281.855,-103.192 -281.855,-103.393 cw(c-282.109,-103.393) -282.109,-103.647 D288.2@-300.095,-103.647 -313.942,-103.647 cw(c-313.942,-101.107) -316.482,-101.107 v1@-316.482,-100.015
  Bottom Layer w0.254: v1(-316.482,-99.855) cw(c-316.482,-99.728) -316.609,-99.728 -316.609,-89.752 cw(c-314.115,-90.233) -314.115,-87.693 -298.068,-87.693 ccw(c-298.068,-85.153) -297.691,-87.665 -285.042,-87.665 ccw(c-285.042,-85.125) -282.502,-85.125 -282.502,-29.962 cw(c-280.415,-29.962) -280.415,-27.876 -223.392,-27.876 ccw(c-223.392,-25.336) -220.852,-25.336 v1(-220.852,-23.939)
PA1: D232.2 D235.2 D237.2 D239.2 D241.2 D243.2 D245.2 D247.2 U301.11 | length 342.1
  Component Side w0.254: D232.2@-300.037,-27.447 cw(c-300.037,-29.835) -297.649,-29.835 -297.649,-44.005 ccw(c-295.109,-44.005) -295.109,-46.545 -282.178,-46.545 cw(c-282.178,-46.799) -281.924,-46.799 -281.924,-46.952 ccw(c-281.597,-46.952) -281.597,-47.279 -280.377,-47.279 ccw(c-280.377,-46.952) -280.05,-46.952 -280.05,-46.741 cw(c-279.796,-46.741) -279.796,-46.487 -265.854,-46.487 ccw(c-265.855,-46.233) -265.643,-46.374 cw(c-264.241,-47.302) -262.839,-46.374 ; -265.477,-46.161 cw(c-264.241,-47.302) -262.838,-46.374 cw(c-264.241,-47.302) -262.833,-46.383 ccw(c-262.621,-46.243) -262.622,-46.497 D247.2@-250.65,-46.497 -248.841,-46.497 cw(c-248.841,-46.751) -248.587,-46.751 -248.587,-46.952 ccw(c-248.26,-46.952) -248.26,-47.279 -247.04,-47.279 ccw(c-247.04,-46.952) -246.713,-46.952 -246.713,-46.646 cw(c-246.459,-46.646) -246.665,-46.497 D245.2@-228.6,-46.497 -210.741,-46.497 cw(c-210.741,-46.751) -210.487,-46.751 -210.487,-46.952 ccw(c-210.16,-46.952) -210.16,-47.279 -208.94,-47.279 ccw(c-208.94,-46.952) -208.613,-46.952 -208.613,-46.751 cw(c-208.359,-46.751) -208.359,-46.497 D243.2@-190.5,-46.497 -172.641,-46.497 cw(c-172.641,-46.751) -172.387,-46.751 -172.387,-46.952 ccw(c-172.06,-46.952) -172.06,-47.279 -170.84,-47.279 ccw(c-170.84,-46.952) -170.513,-46.952 -170.513,-46.751 cw(c-170.259,-46.751) -170.259,-46.497 D241.2@-152.4,-46.497 -134.541,-46.497 cw(c-134.541,-46.751) -134.287,-46.751 -134.287,-46.952 ccw(c-133.96,-46.952) -133.96,-47.279 -132.74,-47.279 ccw(c-132.74,-46.952) -132.416,-47 ; U301.11@-215.665,-13.147 -215.405,-13.407 ccw(c-214.328,-12.33) -215.403,-13.409 ccw(c-214.328,-12.33) -214.328,-13.853 -204.651,-13.853 cw(c-204.651,-15.939) -202.564,-15.939 -202.564,-22.526 cw(c-202.733,-22.526) v1(-202.733,-22.695) ; -132.416,-46.999 ccw(c-132.74,-46.952) -132.413,-46.952 -132.413,-46.751 cw(c-132.159,-46.751) -132.159,-46.497 D239.2@-114.3,-46.497 -96.441,-46.497 cw(c-96.441,-46.751) -96.187,-46.751 -96.187,-46.952 ccw(c-95.86,-46.952) -95.86,-47.279 -94.64,-47.279 ccw(c-94.64,-46.952) -94.32,-47.02 ccw(c-94.64,-46.952) -94.313,-46.952 -94.313,-46.751 cw(c-94.059,-46.751) -94.059,-46.497 D237.2@-76.2,-46.497 -58.341,-46.497 cw(c-58.341,-46.751) -58.087,-46.751 -58.087,-46.952 ccw(c-57.76,-46.952) -57.76,-47.279 -56.54,-47.279 ccw(c-56.54,-46.952) -56.216,-47 ; -56.216,-46.999 ccw(c-56.54,-46.952) -56.213,-46.952 -56.213,-46.653 cw(c-55.959,-46.653) -56.16,-46.497 D235.2@-38.1,-46.497
  Bottom Layer w0.254: v1(-212.089,-46.701) -212.089,-31.153 ccw(c-212.337,-31.096) -212.083,-31.11 cw(c-207.741,-31.341) -207.972,-26.999 ccw(c-207.987,-26.746) -207.929,-26.993 -206.779,-26.993 -205.104,-26.993 ccw(c-205.104,-24.453) -202.564,-24.453 -202.564,-23.101 ccw(c-203.14,-23.101) v1(-202.733,-22.695)
PA2: D234.2 D236.2 D238.2 D240.2 D242.2 D244.2 D246.2 D248.2 U301.12 | length 321.3
  Component Side w0.254: D248.2@-280.987,-46.497 cw(c-280.523,-46.497) -280.523,-46.033 -266.082,-46.033 ccw(c-266.083,-45.779) -265.888,-45.941 cw(c-264.241,-47.302) -262.587,-45.951 ccw(c-262.391,-45.789) -262.392,-46.043 -251.782,-46.043 ccw(c-251.783,-45.789) -251.555,-45.9 cw(c-251.26,-46.042) -251.26,-45.715 -250.04,-45.715 cw(c-250.04,-46.042) -249.745,-45.9 ccw(c-249.517,-45.789) -249.518,-46.043 -242.37,-46.043 ccw(c-242.37,-45.789) -242.316,-46.037 -232.79,-46.037 cw(c-232.79,-46.926) -232.698,-46.042 ccw(c-232.674,-45.789) -232.675,-46.043 -229.732,-46.043 ccw(c-229.733,-45.789) -229.505,-45.9 cw(c-229.21,-46.042) -229.21,-45.715 -227.99,-45.715 cw(c-227.99,-46.042) -227.695,-45.9 ccw(c-227.467,-45.789) -227.468,-46.043 -191.632,-46.043 ccw(c-191.633,-45.789) -191.405,-45.9 cw(c-191.11,-46.042) -191.11,-45.715 -189.89,-45.715 cw(c-189.89,-46.042) -189.595,-45.9 ccw(c-189.367,-45.789) -189.368,-46.043 -153.532,-46.043 ccw(c-153.533,-45.789) -153.305,-45.9 cw(c-153.01,-46.042) -153.01,-45.715 -151.79,-45.715 cw(c-151.79,-46.042) -151.495,-45.901 ccw(c-151.267,-45.789) -151.268,-46.043 -115.237,-46.043 ; U301.12@-215.311,-12.793 -215.051,-13.054 ccw(c-214.218,-12.221) -214.218,-13.399 -204.651,-13.399 cw(c-204.651,-15.939) -202.111,-15.939 -202.111,-22.404 ccw(c-201.857,-22.403) v1(-201.871,-22.657) ; -115.237,-46.042 cw(c-114.91,-46.042) -114.91,-45.715 -113.69,-45.715 cw(c-113.69,-46.042) -113.395,-45.9 ccw(c-113.167,-45.789) -113.168,-46.043 -77.332,-46.043 ccw(c-77.333,-45.789) -77.105,-45.9 cw(c-76.81,-46.042) -76.81,-45.715 -75.59,-45.715 cw(c-75.59,-46.042) -75.295,-45.9 ccw(c-75.067,-45.789) -75.068,-46.043 -39.232,-46.043 ccw(c-39.233,-45.789) -39.005,-45.9 cw(c-38.71,-46.042) -38.71,-45.715 -37.49,-45.715 cw(c-37.49,-46.042) -37.195,-45.901 cw(c-37.49,-46.042) -37.163,-46.042 -37.163,-46.243 ccw(c-36.909,-46.243) -36.909,-46.497 D234.2@-14.287,-46.497
  Bottom Layer w0.254: v1(-211.454,-45.783) cw(c-211.018,-45.346) -211.636,-45.346 -211.636,-31.341 cw(c-207.741,-31.341) -207.741,-27.447 -205.104,-27.447 ccw(c-205.104,-24.453) -202.18,-25.096 ccw(c-205.104,-24.453) -202.111,-24.453 -202.111,-23.234 cw(c-201.293,-23.234) v1(-201.871,-22.657)